# Altium PCB EPS.PcbDoc (part 6 of 11)
Units mm, origin at the board's own origin, x right, y up, seen from the top; angles counter-clockwise.
Board outline 90.25 x 93.64 mm, 8 copper layers (Top Layer, PGND, Power, Control Signals 1, Control Signals 2, Signal 1, Signal 2, Bottom Layer), stack 1.637 mm thick; 941 components, 557 nets, 2694 pads, 869 vias.
Unrouted connection lines stored in the file: 2.
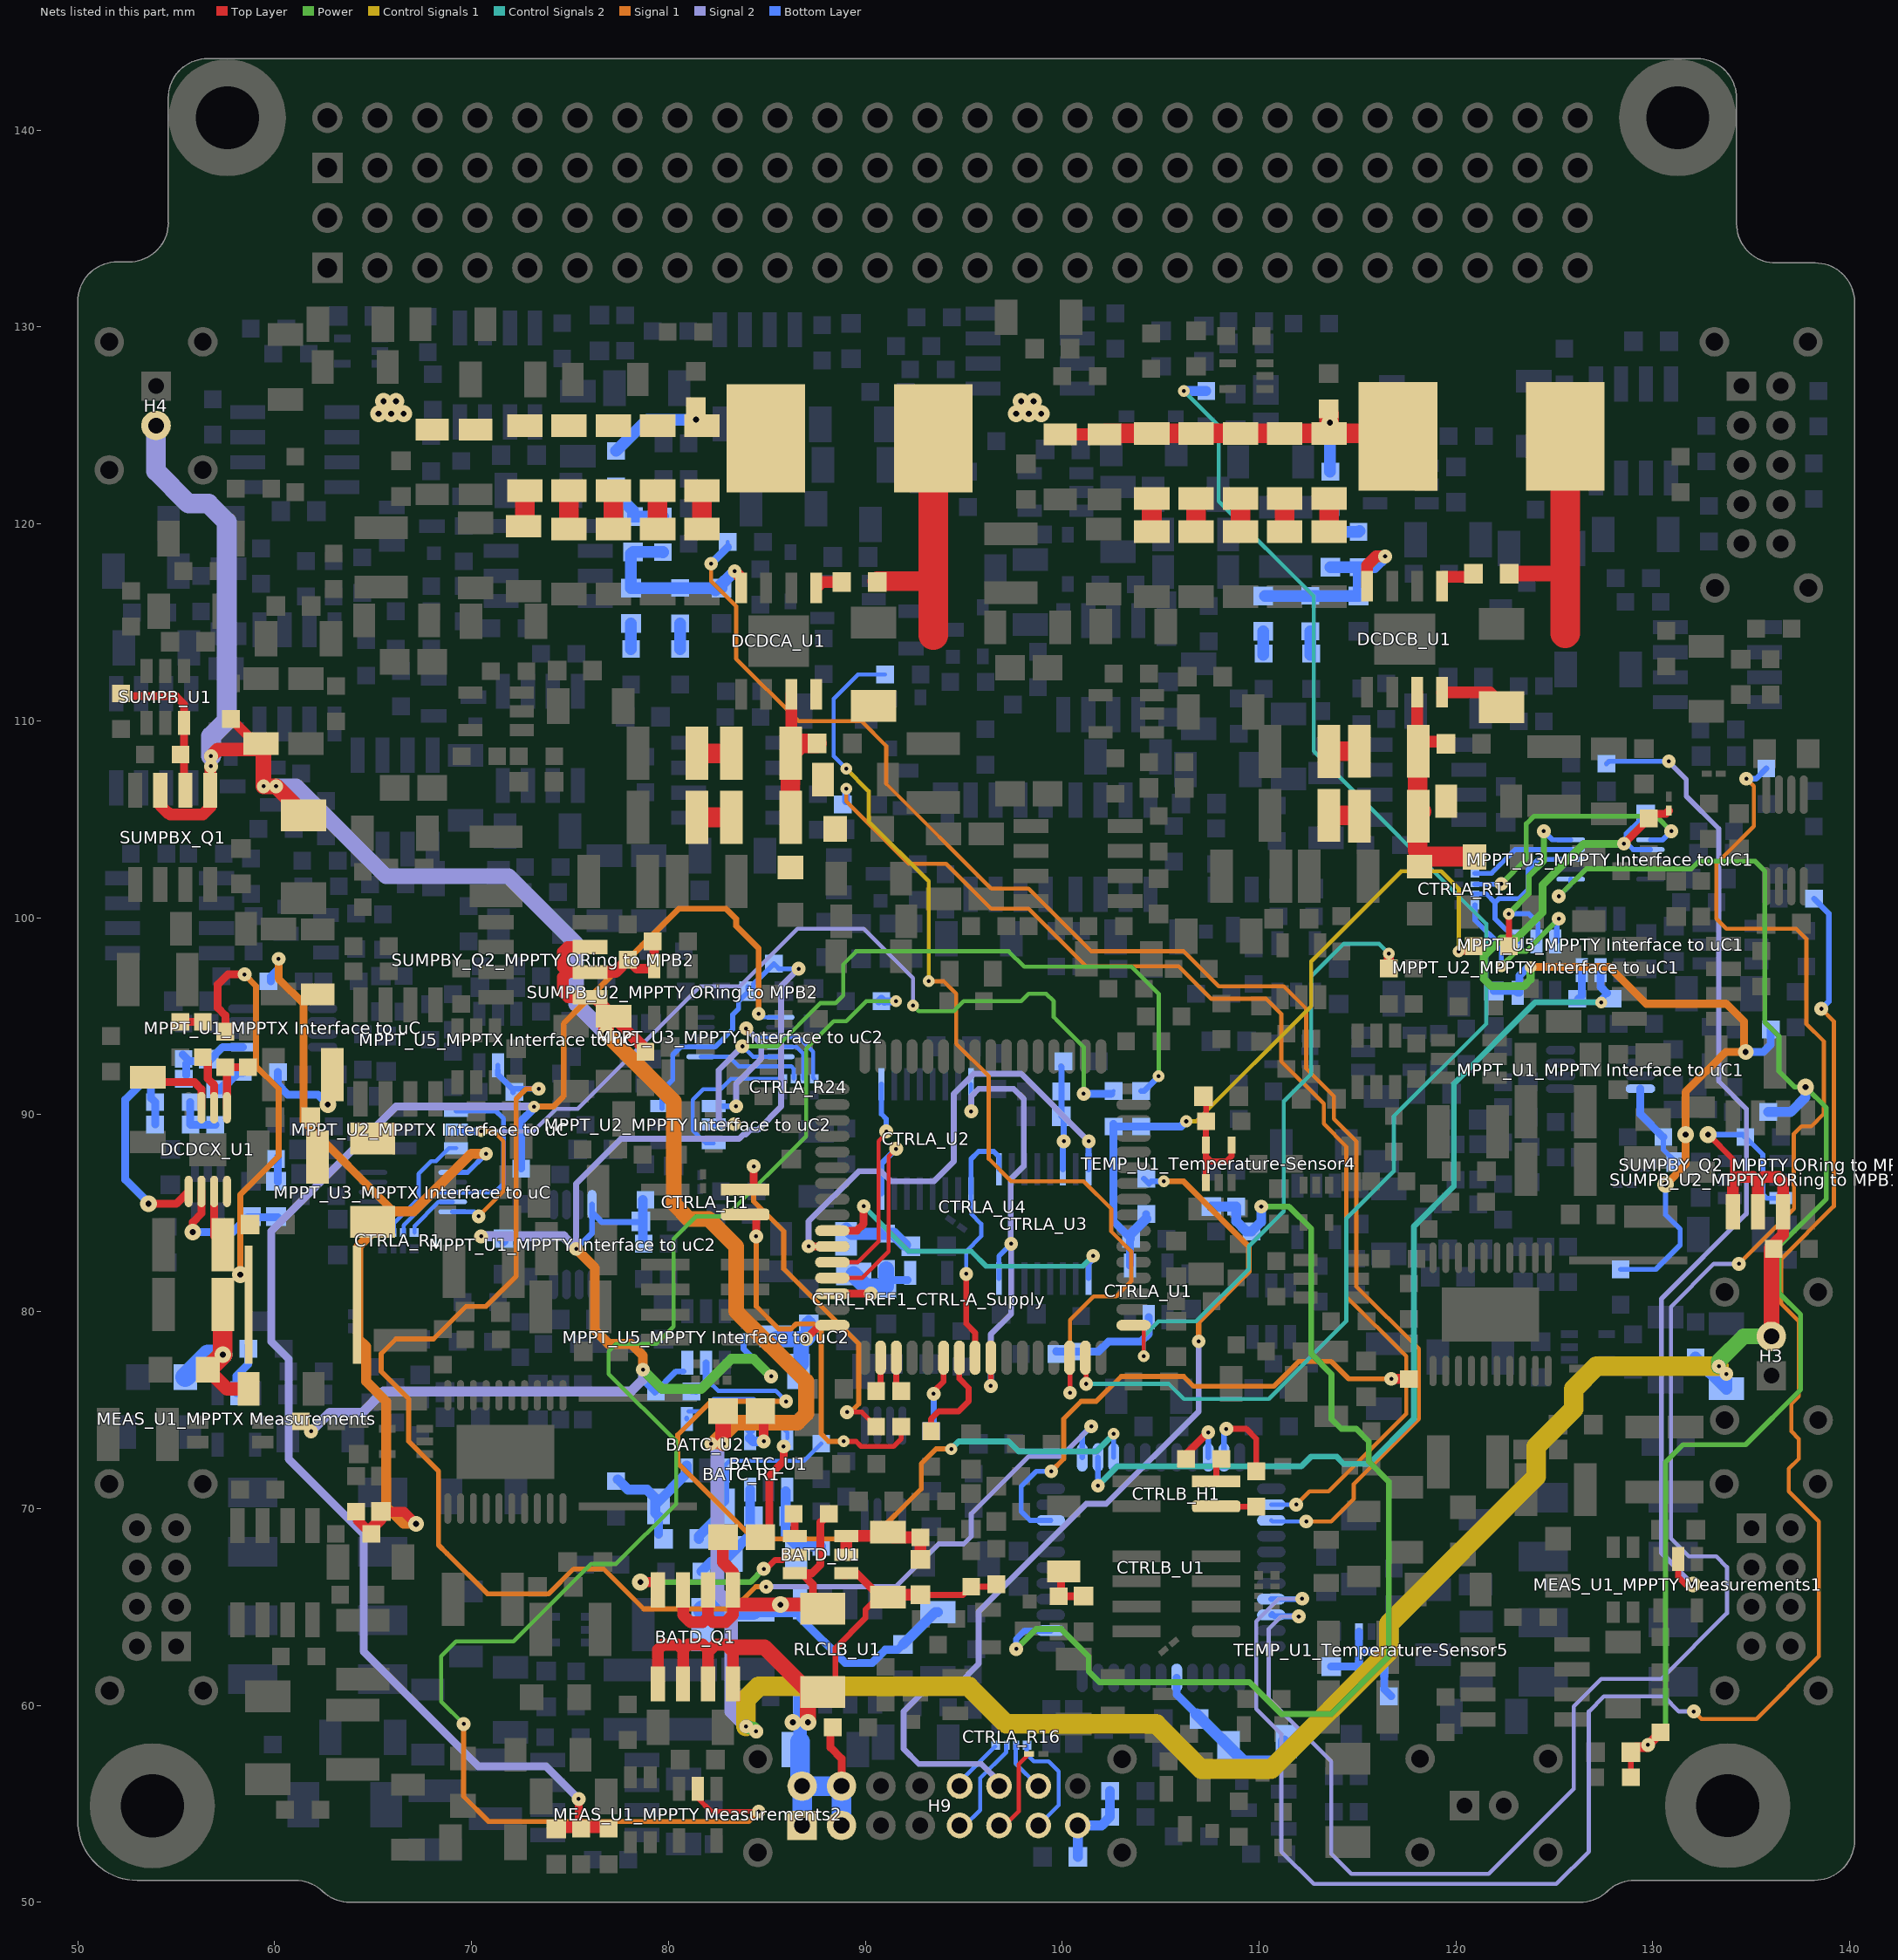
[diagram p12: the nets of this part, all layers, seen from the top]

## Via types
v1: diameter 0.7, hole 0.2, Top Layer to Bottom Layer, 431 vias
v2: diameter 0.85, hole 0.3, Top Layer to Bottom Layer, 345 vias
v3: diameter 0.6, hole 0.2, Top Layer to Bottom Layer, 62 vias
v4: diameter 0.8, hole 0.3, Top Layer to Bottom Layer, 19 vias
v5: diameter 0.75, hole 0.3, Top Layer to Bottom Layer, 7 vias
v6: diameter 1, hole 0.4, Top Layer to Bottom Layer, 2 vias
v7: diameter 0.7, hole 0.3, Top Layer to Bottom Layer, 2 vias
v8: diameter 1, hole 0.3, Top Layer to Bottom Layer, 1 vias

## Nets (pads, with @x,y where several pads share a name; then routed paths per layer and width w, separated by ;. In a path a pad name is that pad's centre, name@x,y a point inside that pad or via, vN(x,y) a via of type N, cw(c..) or ccw(c..) an arc to the next point about the centre after c; other vN are vias at no path point) (continued)
"MPPT_3V3a_MPPTY Interface to uC1": "MPPT_C3_MPPTY Interface to uC1.2" "MPPT_C5_MPPTY Interface to uC1.1" "MPPT_C8_MPPTY Interface to uC1.1" "MPPT_R6_MPPTY Interface to uC1.2" "MPPT_R8_MPPTY Interface to uC1.2" "MPPT_R11_MPPTY Interface to uC1.1" "MPPT_R16_MPPTY Interface to uC1.1" "MPPT_R17_MPPTY Interface to uC1.1" "MPPT_U1_MPPTY Interface to uC1.8" "MPPT_U2_MPPTY Interface to uC1.3" "MPPT_U3_MPPTY Interface to uC1.2" "MPPT_U5_MPPTY Interface to uC1.6" CTRLA_J2.1 | length 65.2
  Top Layer w0.4: v1(128.524,103.759) 129.794,105.029 129.794,105.04 130.037,105.283 130.658,105.283 CTRLA_J2.1@130.81,105.435
  Power w0.4: v3(123.787,97.498) 123.787,96.863 123.444,96.52 121.793,96.52 121.412,96.901 121.412,98.044 122.301,98.933 123.063,98.933 124.394,100.264 124.394,101.661 126.492,103.759 v1(128.524,103.759)
  Signal 1 w0.4: v3(123.787,97.498) 127.8,97.498 129.667,95.631 133.731,95.631 134.621,94.741 134.621,93.268 v4(134.709,93.18) 133.693,93.18 131.661,91.148 v2(131.661,88.989) 131.661,87.465 v2(130.645,86.449)
  Bottom Layer w0.254: 128.359,82.142 130.148,82.142 131.386,83.38 131.386,84.184 130.645,84.925 v2(130.645,86.449) 131.164,86.968 131.164,87.592 130.529,88.227 130.529,88.862 ; 129.311,104.927 128.651,104.267 128.651,103.81 129.002,103.459 129.876,103.459
  Bottom Layer w0.4: 121.92,96.277 123.04,96.277 123.129,96.188 123.218,96.188 123.218,97.056 123.66,97.498 v3(123.787,97.498) 126.226,97.498 126.393,97.331 126.393,96.051 126.189,95.847 ; 129.368,91.316 129.368,90.023 130.529,88.862 ; v4(134.709,93.18) 135.598,93.18 135.99,93.572 135.99,94.323
"MPPT_3V3A_MPPTY Interface to uC2": "MPPT_C3_MPPTY Interface to uC2.2" "MPPT_C5_MPPTY Interface to uC2.1" "MPPT_C8_MPPTY Interface to uC2.1" "MPPT_R6_MPPTY Interface to uC2.2" "MPPT_R8_MPPTY Interface to uC2.2" "MPPT_R11_MPPTY Interface to uC2.1" "MPPT_R16_MPPTY Interface to uC2.1" "MPPT_R17_MPPTY Interface to uC2.1" "MPPT_U1_MPPTY Interface to uC2.8" "MPPT_U2_MPPTY Interface to uC2.3" "MPPT_U3_MPPTY Interface to uC2.2" "MPPT_U5_MPPTY Interface to uC2.6" CTRLA_J4.1 | length 89.4
  Top Layer w0.3: 61.33,74.422 61.341,74.422 v1(61.849,73.914)
  Power w0.5: v1(78.701,77.05) 79.678,76.073 81.661,76.073 83.185,77.597 84.328,77.597 v1(85.217,76.708)
  Signal 1 w0.5: v1(75.311,83.185) 76.263,82.233 76.263,79.057 76.962,78.359 78.105,78.359 78.701,77.763 v1(78.701,77.05)
  Signal 2 w0.3: v1(75.311,83.185) 75.311,86.499 77.585,88.773 83.588,88.773 83.797,88.982 83.902,88.982 84.146,89.226 84.538,89.226 85.725,90.413 85.725,96.52 v1(86.614,97.409)
  Signal 2 w0.5: v1(61.849,73.914) 62.801,74.867 64.453,74.867 65.532,75.946 78.105,75.946 78.701,76.542 v1(78.701,77.05) ; v1(70.485,83.82) 74.676,83.82 v1@75.248,83.248
  Bottom Layer w0.254: 79.678,90.32 79.678,90.447 79.678,91.235 80.215,91.772 80.215,93.042 80.615,93.442 81.63,93.442 82.374,93.442 83.267,94.335 83.267,95.078 83.566,95.377 83.566,95.758 84.025,96.217 84.025,96.482 ; 84.317,96.393 84.317,96.625 85.355,97.663 85.609,97.409 v1(86.614,97.409)
  Bottom Layer w0.3: v1(75.311,83.185) 76.121,83.995 76.121,85.042 ; 76.121,85.426 76.121,85.042 ; 78.564,84.544 76.619,84.544 76.121,85.042 ; v1(78.701,77.05) 78.701,76.493 79.311,75.882 80.391,76.962 80.772,76.962 ; CTRLA_J4.1@83.82,78.638 83.82,78.105 v1(85.217,76.708)
  Bottom Layer w0.5: v1(70.485,83.82) 71.385,83.82 71.628,83.577 ; 78.702,83.666 78.702,85.676
"MPPT_CS_ADC_MPPTX Interface to uC": "MPPT_U3_MPPTX Interface to uC.1" CTRLA_R1.1 | length 1.3
  Bottom Layer w0.254: 64.993,85.068 65.507,84.554 CTRLA_R1.1@65.507,84.01
"MPPT_CS_ADC_MPPTY Interface to uC1": "MPPT_U3_MPPTY Interface to uC1.1" CTRLA_R11.2 | length 14
  Power w0.254: v1(122.301,101.727) 123.571,102.997 123.571,104.775 123.952,105.156 130.175,105.156 v1(130.937,104.394)
  Bottom Layer w0.254: CTRLA_R11.2@120.968,101.702 122.276,101.702 v1(122.301,101.727) ; 129.876,103.959 130.502,103.959 v1(130.937,104.394)
"MPPT_CS_ADC_MPPTY Interface to uC2": "MPPT_U3_MPPTY Interface to uC2.1" CTRLA_R24.2 | length 5.5
  Bottom Layer w0.208: 81.63,92.942 83.08,92.942 83.566,92.456 86.233,92.456 86.36,92.329 CTRLA_R24.2@86.36,91.821
"MPPT_CS_DAC_MPPTX Interface to uC": "MPPT_U2_MPPTX Interface to uC.6" CTRLA_R1.2 | length 5.9
  Bottom Layer w0.208: CTRLA_R1.2@66.065,84.01 66.065,84.48 67.31,85.725 67.31,86.995 67.945,87.63 68.199,87.63 68.862,88.293 69.217,88.293
"MPPT_CS_DAC_MPPTY Interface to uC1": "MPPT_U2_MPPTY Interface to uC1.6" CTRLA_R11.4 | length 8.8
  Power w0.254: v3(122.301,97.536) 123.063,98.298 123.571,98.298 v1(125.222,99.949)
  Bottom Layer w0.254: CTRLA_R11.4@120.968,100.66 120.968,99.885 122.301,98.552 v3(122.301,97.536)
  Bottom Layer w0.3: 125.118,98.808 125.118,99.845 v1(125.222,99.949)
"MPPT_CS_DAC_MPPTY Interface to uC2": "MPPT_U2_MPPTY Interface to uC2.6" CTRLA_R24.1 | length 7.9
  Bottom Layer w0.208: 82.298,88.547 81.894,88.547 81.229,89.211 81.229,90.754 81.766,91.291 82.655,91.291 83.185,91.821 CTRLA_R24.1@85.801,91.821
"MPPT_DIN_MPPTX Interface to uC": "MPPT_U2_MPPTX Interface to uC.4" "MPPT_U3_MPPTX Interface to uC.8" CTRLA_R1.3 | length 12.2
  Bottom Layer w0.208: CTRLA_R1.3@66.548,84.01 66.548,84.381 68.235,86.068 69.043,86.068
  Bottom Layer w0.254: 69.043,86.068 71.209,86.068 71.628,86.487 71.628,89.789 71.224,90.193 69.217,90.193
"MPPT_DIN_MPPTY Interface to uC1": "MPPT_U2_MPPTY Interface to uC1.4" "MPPT_U3_MPPTY Interface to uC1.8" CTRLA_R11.3 | length 9.1
  Bottom Layer w0.254: CTRLA_R11.3@120.968,101.219 121.539,101.219 121.983,100.774 ; 123.218,98.808 123.129,98.808 121.983,99.954 121.983,100.774 ; 125.826,102.959 124.168,102.959 123.66,102.451 123.66,101.435 123.19,100.965 122.174,100.965 121.983,100.774
"MPPT_DIN_MPPTY Interface to uC2": "MPPT_U2_MPPTY Interface to uC2.4" "MPPT_U3_MPPTY Interface to uC2.8" CTRLA_R24.4 | length 11
  Signal 2 w0.3: v1(83.439,90.424) 83.439,91.567 84.709,92.837 84.709,93.613 v1(83.947,94.375)
  Bottom Layer w0.208: v1(83.947,94.375) 83.947,94.361 84.366,93.942 85.68,93.942 86.599,93.942 87.354,93.187 87.354,91.869 CTRLA_R24.4@87.401,91.821
  Bottom Layer w0.3: 82.55,90.424 v1(83.439,90.424)
"MPPT_DOUT_MPPTX Interface to uC": "MPPT_U3_MPPTX Interface to uC.9" CTRLA_R1.4 | length 2.8
  Bottom Layer w0.208: CTRLA_R1.4@67.107,84.01 67.107,84.343 68.332,85.568 69.043,85.568
"MPPT_DOUT_MPPTY Interface to uC1": "MPPT_U3_MPPTY Interface to uC1.9" CTRLA_R11.1 | length 5.4
  Bottom Layer w0.254: CTRLA_R11.1@120.968,102.26 121.802,102.26 123,103.459 125.826,103.459
"MPPT_DOUT_MPPTY Interface to uC2": "MPPT_U3_MPPTY Interface to uC2.9" CTRLA_R24.3 | length 2.6
  Bottom Layer w0.208: 85.68,93.442 86.517,93.442 86.843,93.116 CTRLA_R24.3@86.843,91.821
"MPPT_MEAS_I_MPPTX Measurements": "MEAS_U1_MPPTX Measurements.2" "MPPT_R10_MPPTX Interface to uC.2" | length 2.6
  Bottom Layer w0.4: 58.062,75.861 58.062,76.731 58.663,77.332 58.663,78.105 58.663,78.232
"MPPT_MEAS_I_MPPTY Measurements1": "MEAS_U1_MPPTY Measurements1.2" "MPPT_R10_MPPTY Interface to uC1.2" | length 51
  Top Layer w0.3: 131.28,67.439 131.28,66.51 131.661,66.129 v4(132.042,66.129)
  Signal 2 w0.254: v1(130.81,107.95) 130.81,107.912 131.699,107.023 131.699,106.172 133.35,104.521 133.35,101.236 133.344,101.229 133.344,91.7 134.747,90.297 134.747,84.963 130.429,80.645 130.429,67.742 v4(132.042,66.129)
  Bottom Layer w0.254: 127.646,107.823 127.773,107.95 v1(130.81,107.95)
"MPPT_MEAS_I_MPPTY Measurements2": "MEAS_U1_MPPTY Measurements2.2" "MPPT_R10_MPPTY Interface to uC2.2" | length 79.6
  Top Layer w0.254: 81.496,55.755 81.496,55.283 82.169,54.61 v1(84.582,54.61)
  Power w0.208: v1(69.596,59.055) 68.453,60.198 68.453,62.484 69.215,63.246 72.136,63.246 76.073,67.183 77.343,67.183 80.391,70.231 80.391,73.406 76.962,76.835 76.962,77.978 77.343,78.359 79.375,78.359 80.264,79.248 80.264,83.693 81.407,84.836 82.931,84.836 86.995,88.9 86.995,93.345 88.392,94.742 89.027,94.742 90.043,95.758 v3(91.567,95.758)
  Signal 1 w0.254: v1(69.596,59.055) 69.596,55.372 70.866,54.102 84.074,54.102 v1(84.582,54.61)
  Bottom Layer w0.4: 90.689,95.758 90.816,95.885 90.963,95.738 90.984,95.758 v3(91.567,95.758)
"MPPT_MEAS_V_MPPTX Measurements": "MEAS_C1_MPPTX Measurements.1" "MEAS_R2_MPPTX Measurements.2" "MEAS_R4_MPPTX Measurements.1" "MPPT_R1_MPPTX Interface to uC.2" "MPPT_U3_MPPTX Interface to uC.6" | length 47.7
  Top Layer w0.4: 64.135,69.839 64.224,69.75 64.224,69.928
  Top Layer w0.5: 64.224,69.75 64.224,69.391 64.908,68.707 64.908,68.972 ; 65.405,69.469 65.405,69.839 65.421,69.823 66.575,69.823 v4(67.183,69.215)
  Top Layer w0.6: 64.908,68.972 65.405,69.469
  Signal 1 w0.4: v1(60.198,97.917) 60.198,96.901 61.468,95.631 61.468,89.662 66.04,85.09
  Signal 1 w0.5: v4(67.183,69.215) 66.548,69.215 65.659,70.104 65.659,75.438 64.643,76.454 64.643,78.232 64.262,78.613 64.262,83.312 66.04,85.09 67.056,85.09 69.977,88.011 v1(70.739,88.011)
  Bottom Layer w0.254: 69.043,87.068 69.796,87.068 v1(70.739,88.011)
  Bottom Layer w0.4: 59.806,96.774 59.806,97.017 60.198,97.409 v1(60.198,97.917)
"MPPT_MEAS_V_MPPTY Measurements1": "MEAS_C1_MPPTY Measurements1.1" "MEAS_R2_MPPTY Measurements1.2" "MEAS_R4_MPPTY Measurements1.1" "MPPT_R1_MPPTY Interface to uC1.2" "MPPT_U3_MPPTY Interface to uC1.6" | length 71
  Top Layer w0.3: 128.878,56.35 128.878,57.62
  Top Layer w0.5: 128.878,57.62 129.132,57.874 129.756,57.874 v1(129.756,57.99) 130.391,58.625
  Power w0.254: v1(125.222,101.092) 126.619,102.489 131.953,102.489 132.334,102.87 135.193,102.87 135.681,102.381 135.681,94.697 136.398,93.98 136.398,92.202 137.198,91.402 v2(137.757,91.402) 138.811,90.348 138.811,85.725 136.398,83.312 136.398,80.95 137.503,79.845 137.503,76.035 134.709,73.241 131.534,73.241 130.645,72.352 130.645,58.879 v1(129.756,57.99)
  Bottom Layer w0.254: v1(125.222,101.092) 125.826,101.696 125.826,101.959
  Bottom Layer w0.5: 135.863,90.132 136.995,90.132 137.757,90.894 v2(137.757,91.402)
"MPPT_MEAS_V_MPPTY Measurements2": "MEAS_C1_MPPTY Measurements2.1" "MEAS_R2_MPPTY Measurements2.2" "MEAS_R4_MPPTY Measurements2.1" "MPPT_R1_MPPTY Interface to uC2.2" "MPPT_U3_MPPTY Interface to uC2.6" | length 84
  Top Layer w0.4: v1(75.438,55.245) 75.438,53.859 75.476,53.821 75.565,53.732
  Top Layer w0.6: 74.489,53.821 75.476,53.821 76.924,53.821
  Signal 1 w0.3: v3(73.175,90.41) 74.154,90.41 74.676,90.932 74.676,94.615 80.518,100.457 82.931,100.457 83.439,99.949 83.439,99.577 84.582,98.434 v1(84.582,95.123)
  Signal 2 w0.4: v3(73.175,90.41) 66.153,90.41 59.817,84.074 59.817,78.486 60.706,77.597 60.706,72.517 64.516,68.707 64.516,62.738 70.358,56.896 73.787,56.896 v1(75.438,55.245) ; v1@84.577,95.128 v1(84.582,95.123)
  Bottom Layer w0.208: v1(84.582,95.123) 84.763,94.942 85.68,94.942
  Bottom Layer w0.4: 72.517,87.26 72.517,89.662 73.175,90.32 v3(73.175,90.41)
"MPPT_SCLK_MPPTX Interface to uC": "MPPT_U2_MPPTX Interface to uC.5" "MPPT_U3_MPPTX Interface to uC.10" CTRLA_R4.2 | length 51.9
  Power w0.208: v3(92.422,95.545) 92.717,95.25 94.488,95.25 94.996,95.758 97.917,95.758 98.298,96.139 99.187,96.139 99.568,95.758 99.568,94.956 99.8,94.724 101.092,93.432 v1(101.092,91.059)
  Signal 1 w0.208: v1(70.358,84.836) 71.628,86.106 71.628,88.646 71.12,89.154 v3(70.485,89.154)
  Signal 2 w0.208: v3(70.485,89.154) 73.152,89.154 74.295,90.297 75.398,90.297 81.621,96.52 83.633,96.52 86.554,99.441 89.916,99.441 92.422,96.935 v3(92.422,95.545)
  Bottom Layer w0.208: v1(101.092,91.059) v1@101.219,91.186 ; CTRLA_R4.2@102.478,91.059 CTRLA_R4.2@102.616,91.197
  Bottom Layer w0.254: 69.043,85.068 70.126,85.068 v1(70.358,84.836) ; 69.217,89.243 69.306,89.154
  Bottom Layer w0.4: 69.306,89.154 v3(70.485,89.154) ; v1(101.092,91.059) CTRLA_R4.2@102.478,91.059
"MPPT_SCLK_MPPTY Interface to uC1": "MPPT_U2_MPPTY Interface to uC1.5" "MPPT_U3_MPPTY Interface to uC1.10" CTRLA_R13.2 | length 10.6
  Top Layer w0.3: v3(122.682,100.203) 122.693,100.192 CTRLA_R13.2@122.693,98.679
  Power w0.3: v3(122.682,100.203) 123.698,101.219 123.698,102.108 124.46,102.87 v1(124.46,104.394)
  Bottom Layer w0.254: v3(122.682,100.203) 123.698,100.203 124.168,99.733 124.168,98.808 ; v1(124.46,104.394) 124.895,103.959 125.826,103.959
"MPPT_SCLK_MPPTY Interface to uC2": "MPPT_U2_MPPTY Interface to uC2.5" "MPPT_U3_MPPTY Interface to uC2.10" CTRLA_R25.2 | length 38.7
  Power w0.208: v1(83.757,93.472) 85.524,93.472 87.714,95.661 88.476,95.661 88.874,96.059 88.874,97.637 89.535,98.298 97.282,98.298 98.066,97.514 103.527,97.514 104.902,96.139 v3(104.902,91.948)
  Signal 2 w0.3: v1(83.341,89.521) 82.866,89.521 82.842,89.497 82.55,89.789 82.55,92.266 v1(83.757,93.472)
  Bottom Layer w0.208: v1(83.757,93.472) 84.287,92.942 85.68,92.942
  Bottom Layer w0.3: 82.298,89.497 82.322,89.521 v1(83.341,89.521) ; CTRLA_R25.2@104.013,91.197 104.151,91.197 v3(104.902,91.948)
NetBATC_C1_1: BATC_C1.1 BATC_C2.1 BATC_R2.1 BATC_U1.1 | length 4.3
  Bottom Layer w0.5: BATC_U1.1@85.952,70.865 85.952,69.558 85.94,69.546 85.94,68.67 86.538,68.072 BATC_R2.1@87.757,68.072
NetBATC_C1_2: BATC_C1.2 BATC_C2.2 BATC_R3.2 BATC_U1.3 | length 5.6
  Bottom Layer w0.5: BATC_R3.2@81.672,66.802 82.18,67.31 82.805,67.31 BATC_C2.2@83.186,67.691 84.152,68.657 BATC_U1.3@84.152,70.965
NetBATC_C3_1: BATC_C3.1 BATC_C4.1 BATC_R4.2 BATC_U2.3 | length 6.8
  Bottom Layer w0.45: BATC_C4.1@79.502,68.696 BATC_C3.1@79.502,69.596
  Bottom Layer w0.5: BATC_R4.2@77.432,71.474 77.951,70.955 78.905,70.955 79.326,70.534 79.326,69.772 BATC_C3.1@79.502,69.596 ; BATC_C3.1@79.338,70.193 80.927,71.782 BATC_U2.3@80.927,71.931 BATC_U2.3@80.927,72.185
NetBATC_C3_2: BATC_C3.2 BATC_C4.2 BATC_R5.2 BATC_U2.1 | length 8.9
  Bottom Layer w0.208: BATC_U2.1@82.827,71.931 82.827,72.159 83.088,72.42 86.887,72.42 BATC_R5.2@87.757,73.29
  Bottom Layer w0.5: BATC_C4.2@81.545,68.453 81.545,68.591 BATC_C3.2@82.512,69.558 ; BATC_C3.2@82.638,70.193 82.827,70.382 BATC_U2.1@82.827,71.931
NetBATC_R1_1: BATC_R1.1 BATD_D1.K BATD_Q1.S BATD_R1.1 BATD_U1.6 RLCLB_C1.1 RLCLB_C2.1 RLCLB_C3.1 RLCLB_C4.1 RLCLB_U1.1 | length 35.6
  Top Layer w0.4: BATD_U1.6@86.232,66.753 86.282,66.703 BATD_U1.6@86.409,66.703 BATD_U1.6@86.764,66.703 ; BATD_D1.K@87.63,65.113 87.338,65.405 87.338,66.129 BATD_U1.6@86.764,66.703 ; BATD_R1.1@88.271,69.602 88.017,69.602 87.719,69.304 87.719,67.145 87.277,66.703 BATD_U1.6@86.764,66.703
  Top Layer w0.6: BATD_Q1.S@80.739,65.862 80.739,64.6 81.115,64.224 81.75,64.224 82.009,64.483 ; BATD_Q1.S@82.009,65.862 82.009,64.483 ; BATC_R1.1@82.771,68.542 82.771,67.267 83.279,66.759 BATD_Q1.S@83.279,65.862 ; BATD_Q1.S@83.279,65.743 83.279,65.113 83.279,64.61 82.893,64.224 82.258,64.224 82.009,64.473 82.009,64.483
  Top Layer w0.7: BATD_Q1.S@83.279,65.113 v2(85.687,65.113) 87.63,65.113 BATD_D1.K@87.836,64.907
  Bottom Layer w0.4: RLCLB_U1.1@86.688,65.247 86.688,64.835 86.688,64.442 88.979,62.151 90.345,62.151 91.021,62.827 91.645,62.827 RLCLB_C4.1@91.91,63.092
  Bottom Layer w0.5: RLCLB_C4.1@91.91,63.092 93.549,64.731 RLCLB_C3.1@93.688,64.731
  Bottom Layer w0.7: RLCLB_C2.1@84.29,64.835 RLCLB_U1.1@86.688,64.835
  Bottom Layer w1: RLCLB_C1.1@81.75,64.835 RLCLB_C2.1@84.036,64.835 RLCLB_C2.1@84.29,64.835
NetBATC_R1_2: BATC_R1.2 BATC_U1.5 BATC_U2.4 | length 10.8
  Top Layer w0.4: BATC_R1.2@85.113,68.923 85.113,71.651 85.852,72.39 v1(85.852,73.152)
  Bottom Layer w0.208: BATC_U2.4@81.026,74.93 81.661,74.93 82.296,75.565 84.328,75.565 86.04,73.853 BATC_U1.5@86.04,73.573
  Bottom Layer w0.254: BATC_U2.4@80.927,74.551 BATC_U2.4@80.927,74.577
NetBATC_R1_3: BATC_R1.3 BATC_U1.4 BATC_U2.5 | length 3.9
  Top Layer w0.5: BATC_R1.3@84.671,74.892 84.836,74.727 v1(84.836,73.406)
  Bottom Layer w0.5: BATC_U2.5@82.827,74.551 BATC_U2.5@82.827,74.805 ; BATC_U2.5@82.931,74.295 83.871,74.295 BATC_U1.4@84.163,74.003 ; BATC_U1.4@84.14,73.573 84.307,73.406 v1(84.836,73.406)
NetBATC_R1_4: "SUMPB_U2_MPPTY ORing to MPB1.6" "SUMPB_U2_MPPTY ORing to MPB2.6" "SUMPBY_C3_MPPTY ORing to MPB1.1" "SUMPBY_C3_MPPTY ORing to MPB2.1" "SUMPBY_Q2_MPPTY ORing to MPB1.S" "SUMPBY_Q2_MPPTY ORing to MPB2.S" "SUMPBY_R2_MPPTY ORing to MPB1.1" "SUMPBY_R2_MPPTY ORing to MPB2.1" "SUMPBY_R3_MPPTY ORing to MPB1.1" "SUMPBY_R3_MPPTY ORing to MPB2.1" "SUMPBY_R7_MPPTY ORing to MPB1.1" "SUMPBY_R7_MPPTY ORing to MPB2.1" BATC_R1.4 H3.2 H4.2 SUMPB_U1.6 SUMPBX_C3.1 SUMPBX_D1.K SUMPBX_Q1.S SUMPBX_R1.1 SUMPBX_R3.1 SUMPBX_R5.1 | length 221.9
  Top Layer w0.3: v2(132.804,88.989) 134.069,87.724 134.069,86.571
  Top Layer w0.4: SUMPBX_R5.1@52.451,111.252 54.991,111.252 55.395,110.848 SUMPB_U1.6@55.395,109.904 55.395,108.47 SUMPBX_R1.1@55.218,108.293 ; SUMPBX_Q1.S@55.395,106.692 SUMPBX_R1.1@55.395,108.126 ; 136.609,85.065 136.609,85.192
  Top Layer w0.5: SUMPBX_R3.1@57.785,110.098 59.043,108.84 SUMPBX_C3.1@59.309,108.84 ; 77.94,97.868 78.397,97.411 79.276,97.411 79.276,97.538 79.276,98.691 79.199,98.768
  Top Layer w0.6: SUMPBX_Q1.S@54.191,106.469 54.191,105.702 54.571,105.322 54.613,105.322 54.691,105.245 56.35,105.245 56.731,105.626 SUMPBX_Q1.S@56.731,106.469 56.731,107.658 v1(56.769,107.696) ; SUMPBX_D1.K@61.293,105.458 SUMPBX_D1.K@61.585,105.458 ; 76.022,98.509 74.887,98.509 74.638,98.26 74.638,97.498 74.897,97.239 ; 77.94,97.868 77.311,97.239 76.022,97.239 74.897,97.239 ; 78.829,93.318 77.47,94.677 77.47,94.742 76.243,95.969 76.022,95.969 74.897,95.969 74.638,96.228 74.638,96.99 74.887,97.239 74.897,97.239 ; v1@82.771,73.312 v1(82.804,73.279) ; 134.069,85.192 134.069,86.571 134.328,86.83 135.09,86.83 135.339,86.581 135.339,86.571 ; 135.339,85.192 135.339,86.571 ; 135.968,83.274 136.609,83.915 136.609,85.065 ; 136.609,85.192 136.609,86.581 136.36,86.83 135.598,86.83 135.339,86.571
  Top Layer w0.7: v1(56.769,108.204) 57.113,108.548 SUMPBX_C3.1@59.436,108.548
  Top Layer w0.8: SUMPBX_C3.1@59.69,108.966 59.436,108.712 59.436,108.548 v1(59.436,106.68) v1(60.071,106.68) SUMPBX_D1.K@61.293,105.458 ; v2(76.835,94.107) 76.835,94.614 77.216,94.995 ; v1@82.771,73.312 BATC_R1.4@82.771,74.942 ; H3.2@136.017,78.74 136.017,83.225
  Power w0.7: v1(83.947,58.928) 84.328,58.801 v1(84.455,58.674)
  Power w0.8: v1(133.35,77.216) 133.35,77.47 134.62,78.74 H3.2@136.017,78.74
  Signal 1 w0.8: v2(76.835,94.107) 80.264,90.678 80.264,85.471 81.026,84.709 82.042,84.709 83.439,83.312 83.439,80.01 86.995,76.454 86.995,74.803 86.551,74.359 83.376,74.359 v1@82.423,73.406
  Signal 2 w0.7: 82.486,72.898 82.486,65.723 83.185,65.024 83.185,59.69 v1(83.947,58.928)
  Signal 2 w0.8: v1(60.071,106.68) 61.087,106.68 65.659,102.108 71.882,102.108 75.311,98.679 75.311,95.631 v2(76.835,94.107)
  Signal 2 w1: H4.2@53.975,125 53.975,122.682 55.626,121.031 56.642,121.031 57.568,120.105 57.568,110.019 56.769,109.22 v1(56.769,108.204)
  Control Signals 1 w1: v1(83.947,58.928) 83.947,60.325 84.582,60.96 95.25,60.96 97.155,59.055 104.775,59.055 107.061,56.769 110.617,56.769 116.586,62.738 116.586,64.135 124.079,71.628 124.079,73.152 125.984,75.057 125.984,76.073 127.127,77.216 v1(133.35,77.216)
  Bottom Layer w0.254: 134.698,88.862 135.587,87.973 135.587,85.952 135.786,85.753 136.527,85.753
  Bottom Layer w0.3: v2(132.804,88.989) 134.571,88.989 134.698,88.862
  Bottom Layer w0.6: 132.169,77.675 132.169,77.636 133.731,76.074 v1(133.731,76.835) v1(133.35,77.216)
  other v1: 82.169,73.279
NetBATD_C3_1: BATD_C3.1 BATD_C4.1 BATD_D1.A BATD_Q1.D BATD_U1.1 BATV_R1.1 BATV_R3.1 H9.1 H9.2 H9.9 H9.10 RLCLB_C5.1 RLCLB_R4.2 RLCLB_U1.8 | length 47.2
  Top Layer w0.3: BATD_D1.A@87.836,60.687 88.481,61.332 88.481,62.912 90.005,64.436 90.005,64.859 BATD_C4.1@90.576,65.43 ; BATD_C3.1@92.799,65.61 94.958,65.61 BATV_R1.1@95.377,66.029 96.52,66.029 BATV_R3.1@96.647,66.156
  Top Layer w0.4: RLCLB_R4.2@88.481,58.89 88.227,58.636 88.227,57.857 88.79,57.294 H9.10@88.79,55.898 ; BATD_U1.1@89.029,66.703 89.558,66.703 90.766,65.495 BATD_C4.1@91.148,65.495
  Top Layer w0.6: BATD_Q1.D@79.469,61.082 79.469,62.832 79.718,63.081 80.48,63.081 80.739,62.822 ; BATD_Q1.D@80.739,61.082 80.739,62.822 ; BATD_Q1.D@82.009,60.922 BATD_Q1.D@82.009,61.082 82.009,62.705 ; BATD_Q1.D@83.274,61.082 83.274,62.7 82.893,63.081 82.385,63.081 82.009,62.705 ; BATD_U1.1@88.902,66.703 BATD_U1.1@89.029,66.703 ; BATD_C4.1@91.148,65.495 91.263,65.61 BATD_C3.1@92.799,65.61 ; 80.739,62.822 80.739,62.832 80.988,63.081 81.75,63.081 82.009,62.822 82.009,62.705